# KiCad board robot.kicad_pcb (continued)
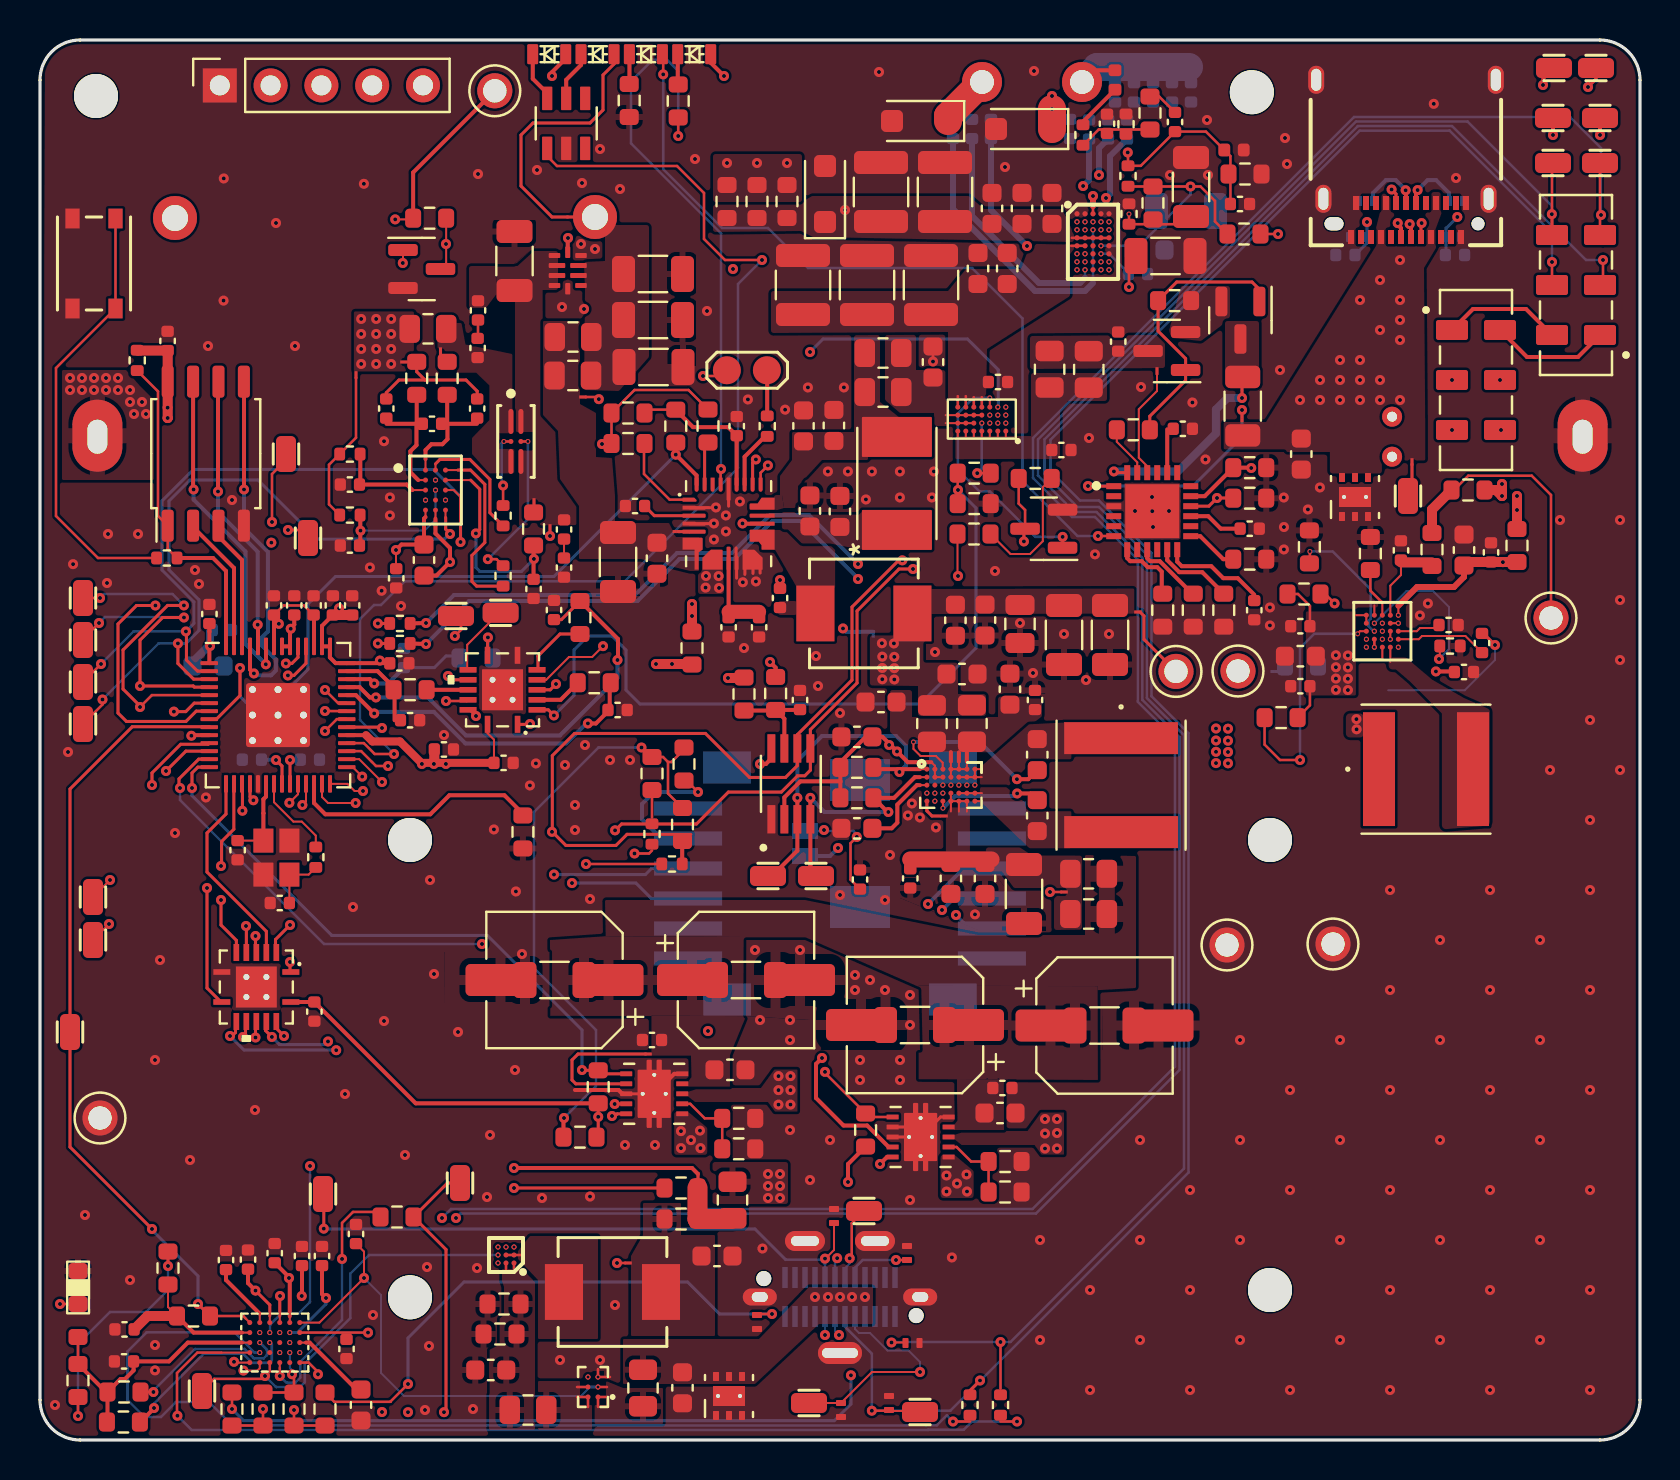
[diagram p0: board, top side]
## Library data of the parts
BT1 = -: Description: BatteryHolder_26650; Manufacturer: Uxcell; Part Number: a15042300ux0145; Stock: 5; VIO: VIO [1.2-5.5] (3.3V compatible)
BT2 = -: Description: Single-cell battery; Manufacturer: Suprise Collection; Part Number: 26650-5000-1; VIO: VIO [1.2-5.5] (3.3V compatible); Field10: -; Field11: +
C1 C87 C93 = -: Description: Unpolarized capacitor; Manufacturer: Murata; Part Number: GRM188R61A226ME15D; Type: SMD
C2 C3 = -: Description: Unpolarized capacitor; Manufacturer: Murata; Part Number: GRM1555C1H270JA01J; Type: SMD; VIO: Default to [2.5-3.3V] but can change via VOLTAGE_SELECT register
C4 C88 C94 C95 C105 = -: Description: Unpolarized capacitor; Manufacturer: Murata; Part Number: GRM155R61E105KA12D; Stock: 10; Type: SMD
C5-C7 C9 C11-C16 C35-C39 = -: Description: Unpolarized capacitor; Manufacturer: Samsung; Part Number: CL05A104KA5NNNC; Type: SMD; VIO: Default to [2.5-3.3V] but can change via VOLTAGE_SELECT register
C8 C10 = -: Description: Unpolarized capacitor; Manufacturer: Murata; Part Number: GRM155R61E105KA12D; Stock: 10; Type: SMD; VIO: Default to [2.5-3.3V] but can change via VOLTAGE_SELECT register
C17 = -: Description: Unpolarized capacitor; Manufacturer: Murata; Part Number: GRM188R61E106KA73J; Type: SMD; VIO: Default to [2.5-3.3V] but can change via VOLTAGE_SELECT register
C18 C19 = -: Description: Unpolarized capacitor; Manufacturer: Murata; Part Number: GRM1555C1H270JA01J; Type: SMD
C20 C42 C43 = -: Description: Unpolarized capacitor; Manufacturer: Murata; Part Number: GRM188R61E106KA73J; Type: SMD
C21 C22 = -: Description: Unpolarized capacitor; I_InMax: 3.0A; Manufacturer: Murata; Part Number: GRM155R61E105KA12D; Stock: 10; Type: SMD
C23 = -: Description: Unpolarized capacitor; I_InMax: 3.0A; Manufacturer: Murata; Part Number: GRM188R61E475KE11D; Type: SMD
C24 C32 = -: Description: Unpolarized capacitor; Manufacturer: Samsung; Part Number: CL05A104KA5NNNC; Type: SMD; VIO: VIO < 2V (e.g. 1.8V)
C25 C27 = -: Description: Unpolarized capacitor; Manufacturer: Murata; Part Number: GRM188R61E106KA73J; Type: SMD; VIO: VIO < 2V (e.g. 1.8V)
C26 = -: Description: Unpolarized capacitor; Manufacturer: Samsung; Part Number: CL10B474KO8NNNC; Type: SMD; VIO: VIO < 2V (e.g. 1.8V)
C28 = -: Description: Unpolarized capacitor; Manufacturer: Samsung; Part Number: CL10A225KP8NNNC; Type: SMD; VIO: VIO < 2V (e.g. 1.8V)
C29 = -: Description: Unpolarized capacitor; Manufacturer: Murata; Part Number: GRM155R61E105KA12D; Stock: 10; Type: SMD; VIO: VIO < 2V (e.g. 1.8V)
C30 C31 = -: Description: Unpolarized capacitor; Manufacturer: Samsung; Part Number: CL10B224KA8NNNC; Type: SMD; VIO: VIO < 2V (e.g. 1.8V)
C33 C34 = -: Description: Unpolarized capacitor; Manufacturer: Murata; Part Number: GRM188R61A226ME15D; Type: SMD; VIO: VIO < 2V (e.g. 1.8V)
C40 C41 C44 C85 C92 C102-C104 = -: Description: Unpolarized capacitor; Manufacturer: Samsung; Part Number: CL05A104KA5NNNC; Type: SMD
C45 C46 = -: Description: Unpolarized capacitor; Manufacturer: Murata; Part Number: GRM1555C1H270JA01J; Type: SMD; VIO: [1.8-3.8V] 1.8V compatible
C47 C48 C50-C54 = -: Description: Unpolarized capacitor; Manufacturer: Murata; Part Number: GRM155R61E105KA12D; Stock: 10; Type: SMD; VIO: [1.8-3.8V] 1.8V compatible
C49 = -: Description: Unpolarized capacitor; Manufacturer: Samsung; Part Number: CL10A225KP8NNNC; Type: SMD; VIO: [1.8-3.8V] 1.8V compatible
C55 C99 = -: Description: Unpolarized capacitor; Manufacturer: Murata; Part Number: GRM155R61E105KA12D; Stock: 10; Type: SMD; VIO: VIO [1.2-5.5] (3.3V compatible)
C56 = -: Description: Unpolarized capacitor; Manufacturer: Samsung; Part Number: CL10B474KO8NNNC; Type: SMD; VIO: VIO [1.2-5.5] (3.3V compatible)
C57-C66 = -: Description: Unpolarized capacitor; Manufacturer: Samsung; Part Number: CL05A104KA5NNNC; Type: SMD; VIO: VIO [1.2-5.5] (3.3V compatible)
C67 C68 C75 C77 C80 = -: Description: Unpolarized capacitor; I_InMax: 3.2A; Manufacturer: Murata; Part Number: GRM188R61E106KA73J; Type: SMD; VIO: VIO [1.62-5.5] (1.8V compatible)
C69 = -: Description: Unpolarized capacitor; I_InMax: 3.2A; Manufacturer: Murata; Part Number: GRM155R61E105KA12D; Stock: 10; Type: SMD; VIO: VIO [1.62-5.5] (1.8V compatible)
C70-C73 = -: Description: Unpolarized capacitor; I_InMax: 3.2A; Manufacturer: Samsung; Part Number: CL05A104KA5NNNC; Type: SMD; VIO: VIO [1.62-5.5] (1.8V compatible)
C74 C86 C89 C90 = -: Description: Unpolarized capacitor; Manufacturer: Murata; Part Number: GRM31CD80J107MEA8K; Stock: 20; Type: SMD
C76 C78 = -: Description: Unpolarized capacitor; I_InMax: 3.2A; Manufacturer: Murata; Part Number: GRM188R61A226ME15D; Type: SMD; VIO: VIO [1.62-5.5] (1.8V compatible)
C79 C82 C83 = -: Description: Unpolarized capacitor; I_InMax: 3.2A; Manufacturer: Murata; Part Number: GRM31CD80J107MEA8K; Stock: 20; Type: SMD; VIO: VIO [1.62-5.5] (1.8V compatible); V_Max: 6.3V
C81 = -: Description: Unpolarized capacitor; I_InMax: 3.2A; Manufacturer: Samsung Electro-Mechanics; Part Number: CL21A476MRYNNNE; Type: SMD; VIO: VIO [1.62-5.5] (1.8V compatible)
C84 C115 C118 = -: Description: Unpolarized capacitor; Manufacturer: Würth Elektronik; Part Number: 885012205067; Type: SMD
C91 = -: Description: Unpolarized capacitor; Manufacturer: Murata; Part Number: GRM31CD80J107MEA8K; Stock: 20; Type: SMD; VIO: VIO < 2V (e.g. 1.8V); V_Max: 6.3V
C96 C106-C108 = -: Description: Unpolarized capacitor; Manufacturer: Murata; Part Number: GRM31CD80J107MEA8K; Stock: 20; Type: SMD; VIO: VIO [1.2-5.5] (3.3V compatible); V_Max: 6.3V
C97 C100 C101 = -: Description: Unpolarized capacitor; Manufacturer: Murata; Part Number: GRM188R61E475KE11D; Type: SMD; VIO: [1.8-3.8V] 1.8V compatible
C109 C125 C127 = -: Description: Unpolarized capacitor; Manufacturer: Murata; Part Number: GRM31CD80J107MEA8K; Stock: 20; Type: SMD; V_Max: 6.3V
C110 = -: Description: Unpolarized capacitor; Manufacturer: Murata; Part Number: GRM155R71H223KA12J; Type: SMD; V_Max: 50V
C111 = -: Description: Unpolarized capacitor; Manufacturer: Murata; Part Number: GCM155R71H152KA37D; Type: SMD; V_Max: 50V
C112 C122 = -: Description: Unpolarized capacitor; Manufacturer: Murata; Part Number: GCM155R71H332KA37J; Type: SMD; V_Max: 50V
C113 C114 C116 C119 C121 = -: Description: Unpolarized capacitor; Manufacturer: Murata; Part Number: GRM155R62A104KE14D; Type: SMD; V_Max: 50V
C117 C120 = -: Description: Unpolarized capacitor; Manufacturer: Murata; Part Number: GRM155R71H223KA12J; Type: SMD
C123 C128 = -: Description: Unpolarized capacitor; Manufacturer: Murata; Part Number: GRM155R71H473KE14D; Type: SMD
C124 = -: Description: Unpolarized capacitor; Manufacturer: Murata; Part Number: GRM188R61E475KE11D; Type: SMD; V_Max: 25V
C126 = -: Description: Unpolarized capacitor; Manufacturer: Murata; Part Number: GRM155R61E105KA12D; Stock: 10; Type: SMD; V_Max: 16V
C129 C130 C132 C134 C136 = -: Description: Unpolarized capacitor; Manufacturer: Murata; Part Number: GRM188R61E106KA73J; Type: SMD; V_Max: 25V
C131 = -: Description: Unpolarized capacitor; Manufacturer: Murata; Part Number: GRM31CD80J107MEA8K; Type: SMD
C133 C135 C137 C138 = -: Description: Unpolarized capacitor; Manufacturer: Cal-Chip Electronics, Inc.; Part Number: GMC32X5R107M16NT; Type: SMD; V_Max: 16V
D1 = -: Description: Light emitting diode; I_InMax: 3.2A; Manufacturer: Harvatek Corporation; Part Number: B12H1USD-20D000234U1930; Type: SMD; VIO: VIO [1.62-5.5] (1.8V compatible)
D2 = -: Description: Light emitting diode; Manufacturer: Harvatek Corporation; Part Number: B12H1UYG-20D000134U1930; Type: SMD
D3 = -: Description: Light emitting diode; Manufacturer: Harvatek Corporation; Part Number: B12H1UY--20D000134U1930; Type: SMD; VIO: VIO [1.2-5.5] (3.3V compatible)
D4 D6 D10 = -: Description: Zener diode; Manufacturer: Littelfuse Inc.; Type: SMD
D5 = -: Description: Light emitting diode; Manufacturer: Harvatek Corporation; Part Number: B12H1NG--20D000134U1930; Type: SMD
D7 = -: Description: 6A@0.45V; I_InMax: 3.2A; Manufacturer: KYOCERA AVX; Part Number: SD2114S040S8R0; Type: SMD; VIO: VIO [1.62-5.5] (1.8V compatible)
D9 D11 = -: Description: Diode; Manufacturer: Diodes Incorporated; Part Number: 1N4448HLP-7; Type: SMD
H1-H6 = -: Description: Mounting Hole without connection; Manufacturer: N/A; Part Number: N/A; Type: DNP
IC1 = -: Description: Power Switch ICs - Power Distribution; Manufacturer: Texas Instruments; Type: SMD; VIO: VIO [1.2-5.5] (3.3V compatible)
J1 = -: Description: CON USB3.1 TID TYPE-C Female SMD R/A; Manufacturer: Amphenol Commercial Products; Part Number: 12401610E4#2A; Type: Mixed (SMD/THT); Field9: A12; Field10: A1
J2 = -: Description: Generic connector, single row, 01x05, script generated (kicad-library-utils/schlib/autogen/connector/); Manufacturer: Adam Tech; Part Number: PH1-05-UA; Type: SMD; VIO: Default to [2.5-3.3V] but can change via VOLTAGE_SELECT register
J3 J5 = -: Description: Generic connectable mounting pin connector, single row, 01x06, script generated (kicad-library-utils/schlib/autogen/connector/); Manufacturer: JST; Part Number: B6B-ZR-SM4-TF; Type: SMD
J4 = -: Manufacturer: GCT; Type: Mixed (SMD/THT); VIO: [1.8-3.8V] 1.8V compatible
J8 = -: Description: Generic connector, single row, 01x02, script generated (kicad-library-utils/schlib/autogen/connector/); Manufacturer: N/A; Part Number: N/A; Type: DNP
L1 = -: Description: Inductor; Manufacturer: TAIYO YUDEN; Part Number: NRS6028T1R5NMGJ; Type: SMD; VIO: VIO < 2V (e.g. 1.8V); Field9: *; Field10: 0.224in/5.69mm; Field11: 0.248in/6.299mm; Field12: Copyright 2021 Accelerated Designs. All rights reserved.; Field13: 0.122in/3.099mm
L2 = -: Description: Inductor symbol for simulation only; I_InMax: 3.2A; Manufacturer: Vishay; Part Number: IHLP2020BZERR47M01; Type: SMD; VIO: VIO [1.62-5.5] (1.8V compatible)
L3 = -: Description: Inductor; Manufacturer: TAIYO YUDEN; Part Number: NRS6028T1R5NMGJ; Type: SMD; Field8: Copyright 2021 Accelerated Designs. All rights reserved.; Field9: 0.248in/6.299mm; Field10: 0.224in/5.69mm; Field11: 0.122in/3.099mm; Field12: *
L4 = -: Description: Inductor symbol for simulation only; Manufacturer: Vishay; Part Number: IHLP2020BZERR47M01; Type: SMD; VIO: [1.8-3.8V] 1.8V compatible
NT1-NT4 NT14 NT16-NT18 NT20 = -: Description: Net tie, 2 pins; Manufacturer: N/A; Part Number: N/A; Type: DNP
NT5 NT6 NT11 = -: Description: Net tie, 2 pins; I_InMax: 3.2A; Manufacturer: N/A; Part Number: N/A; Type: DNP; VIO: VIO [1.62-5.5] (1.8V compatible)
NT7-NT10 NT12 NT13 = -: Description: Net tie, 2 pins; Manufacturer: N/A; Part Number: N/A; Type: DNP; VIO: VIO [1.2-5.5] (3.3V compatible)
NT15 = -: Description: Net tie, 2 pins; Manufacturer: N/A; Part Number: N/A; Type: DNP; VIO: VIO < 2V (e.g. 1.8V)
NT21 NT22 = -: Description: Net tie, 2 pins; Manufacturer: N/A; Part Number: N/A; Type: DNP; VIO: [1.8-3.8V] 1.8V compatible
Q1 = -: Description: N-MOSFET transistor, gate/source/drain; I_InMax: 3.0A; Manufacturer: ANBON SEMICONDUCTOR (INT'L) LIMITED; Part Number: BSS138; Type: SMD
Q2 = -: Manufacturer: ON Semiconductor; Stock: 19; Type: SMD; VIO: VIO [1.2-5.5] (3.3V compatible)
Q3 = -: Description: 20V Vds, 0.63 Id, N-Channel MOSFET with ESD protection, SOT-523; Manufacturer: ANBON SEMICONDUCTOR (INT'L) LIMITED; Type: SMD
Q4 = -: Description: 20V Vds, 0.63 Id, N-Channel MOSFET with ESD protection, SOT-523; Manufacturer: Yangjie Electronic Technology; Type: SMD
Q5 = -: Description: Buffer/Line Driver 4-CH Non-Inverting 3-ST CMOS 14-Pin VQFN EP T/R; Manufacturer: Texas Instruments; Stock: 39; Type: SMD; VIO: Default to [2.5-3.3V] but can change via VOLTAGE_SELECT register; Field9: .03346in/.85mm; Field10: .1362992in/3.462mm; Field11: 8.070866E-02in/2.05mm; Field12: .01102in/.28mm; Field13: 1.968504E-02in/.5mm; Field14: Copyright 2021 Accelerated Designs. All rights reserved.; Field15: 8.070866E-02in/2.05mm; Field16: .1392913in/3.538mm
Q6 = -: Description: Buffer/Line Driver 4-CH Non-Inverting 3-ST CMOS 14-Pin VQFN EP T/R; Manufacturer: Texas Instruments; Stock: 39; Type: SMD; Field8: .1392913in/3.538mm; Field9: .03346in/.85mm; Field10: .1362992in/3.462mm; Field11: Copyright 2021 Accelerated Designs. All rights reserved.; Field12: 8.070866E-02in/2.05mm; Field13: .01102in/.28mm; Field14: 1.968504E-02in/.5mm; Field15: 8.070866E-02in/2.05mm
Q7 = -: Description: N-MOSFET transistor, gate/source/drain; Manufacturer: ANBON SEMICONDUCTOR (INT'L) LIMITED; Part Number: BSS138; Type: SMD; VIO: VIO [1.2-5.5] (3.3V compatible)
R1 R5 = -: Description: Resistor; Manufacturer: Walsin Technologies; Part Number: WR04X102 JTL; Type: SMD; VIO: Default to [2.5-3.3V] but can change via VOLTAGE_SELECT register
R2 = -: Description: Resistor; Type: SMD; VIO: Default to [2.5-3.3V] but can change via VOLTAGE_SELECT register
R3 R4 = -: Description: Resistor; Manufacturer: Stackpole Electronics; Part Number: RMCF0402JT27R0; Type: SMD; VIO: Default to [2.5-3.3V] but can change via VOLTAGE_SELECT register
R6 R7 = -: Description: Resistor; Manufacturer: Yageo; Part Number: RC0402FR-1310RL; Type: SMD
R8 = -: Description: Resistor; Manufacturer: Stackpole Electronics; Part Number: RMCF0603JT47K0; Type: SMD; VIO: VIO [1.2-5.5] (3.3V compatible)
R9 = -: Description: Resistor; Manufacturer: Stackpole Electronics; Part Number: RMCF0402FT80K6; Type: SMD
R10 = -: Description: Resistor; Manufacturer: Stackpole Electronics; Notes: Normally Open. Close when needed with 0Ohm resistor.; Part Number: RMCF0603ZT0R00; Stock: 15; Type: SMD; VIO: Default to [2.5-3.3V] but can change via VOLTAGE_SELECT register
R11 R52 R54 R67-R72 R77 R78 = -: Description: Resistor; Manufacturer: Stackpole Electronics; Part Number: RMCF0805ZT0R00; Type: SMD
R12 = -: Description: Resistor; Manufacturer: Walsin Technology; Part Number: WR06X1003FTL; Stock: 100; Type: SMD; VIO: [1.8-3.8V] 1.8V compatible
R13 = -: Description: Resistor; Type: SMD; VIO: [1.8-3.8V] 1.8V compatible
R14 R15 = -: Description: Resistor; Manufacturer: Stackpole Electronics; Part Number: RMCF0603JT2K20; Type: SMD
R16 = -: Description: Resistor; I_InMax: 3.0A; Manufacturer: Stackpole Electronics; Part Number: RMCF0603JT510K; Type: SMD
R17 = -: Description: Resistor; I_InMax: 3.0A; Manufacturer: Walsin Technology; Part Number: WR06X1003FTL; Stock: 100; Type: SMD
R18 = -: Description: Resistor; I_InMax: 3.0A; Manufacturer: Stackpole Electronics; Part Number: RMCF0603JT47K0; Type: SMD
R19 = -: Description: Resistor; Manufacturer: Stackpole Electronics; Part Number: RMCF0603JT200K; Type: SMD; VIO: VIO < 2V (e.g. 1.8V)
R20 R21 = -: Description: Resistor; Manufacturer: Stackpole Electronics; Part Number: RMCF0603JT2K20; Type: SMD; VIO: VIO < 2V (e.g. 1.8V)
R22-R25 = -: Description: Resistor; Manufacturer: Stackpole Electronics; Part Number: RMCF0603JT100R; Type: SMD; VIO: Default to [2.5-3.3V] but can change via VOLTAGE_SELECT register
R26 R27 R29 R30 = -: Description: Resistor; Manufacturer: Panasonic; Part Number: ERJ-3RQJR39V; Stock: 10; Type: SMD
R28 R31 = -: Description: Resistor; Manufacturer: Walsin Technology; Part Number: WR06X1002FTL; Stock: 100; Type: SMD
R32 R33 = -: Description: Resistor; Manufacturer: Yageo; Part Number: RC0402FR-1310RL; Type: SMD; VIO: [1.8-3.8V] 1.8V compatible
R34 R35 = -: Description: Resistor; Manufacturer: Stackpole Electronics; Part Number: RMCF0603JT2K20; Type: SMD; VIO: [1.8-3.8V] 1.8V compatible
R36 = -: Description: Resistor; Manufacturer: Stackpole Electronics; Part Number: RMCF0603JT200K; Type: SMD; VIO: [1.8-3.8V] 1.8V compatible
R37 R39 = -: Description: Resistor; Manufacturer: Panasonic; Part Number: ERJ-3EKF6493V; Type: SMD; VIO: [1.8-3.8V] 1.8V compatible
R38 R40 = -: Description: Resistor; Manufacturer: Stackpole Electronics; Part Number: RMCF0603JT120K; Type: SMD; VIO: [1.8-3.8V] 1.8V compatible
R41 R42 = -: Description: Resistor; Manufacturer: Yageo; Part Number: RC0402FR-1310RL; Type: SMD; VIO: VIO [1.2-5.5] (3.3V compatible)
R43 R45 = -: Description: Resistor; Manufacturer: Panasonic; Part Number: ERJ-PA3J201V; Type: SMD; VIO: VIO [1.2-5.5] (3.3V compatible)
R44 = -: Description: Resistor; Manufacturer: Yageo; Part Number: PA0805FRF470R005L; Type: SMD; VIO: VIO [1.2-5.5] (3.3V compatible)
R46 R47 = -: Description: Resistor; Manufacturer: Walsin Technologies; Part Number: WR04X102 JTL; Type: SMD; VIO: VIO [1.2-5.5] (3.3V compatible)
R48 = -: Description: Resistor; Manufacturer: Stackpole Electronics; Part Number: RMCF0603FT2K00; Type: SMD; VIO: VIO [1.2-5.5] (3.3V compatible)
R49 = -: Description: Resistor; I_InMax: 3.2A; Manufacturer: Walsin Technology; Part Number: WR06X1003FTL; Stock: 100; Type: SMD; VIO: VIO [1.62-5.5] (1.8V compatible)
R50 = -: Description: Resistor; I_InMax: 3.2A; Manufacturer: Walsin Technologies; Part Number: WR04X102 JTL; Type: SMD; VIO: VIO [1.62-5.5] (1.8V compatible)
R51 = -: Description: Resistor; Manufacturer: Panasonic; Part Number: ERJ-8CWJR010V; Type: SMD
R53 = -: Description: Resistor; Manufacturer: Stackpole Electronics; Part Number: RMCF0603FT113K; Type: SMD
R55 = -: Description: Resistor; Manufacturer: Stackpole Electronics; Part Number: RMCF0603FT14K0; Type: SMD
R56 = -: Description: Resistor; I_InMax: 3.2A; Manufacturer: Stackpole Electronics; Part Number: RMCF0603JT100R; Type: SMD; VIO: VIO [1.62-5.5] (1.8V compatible)
R57 R75 = -: Description: Resistor; Manufacturer: Stackpole Electronics; Part Number: RMCF0603ZT0R00; Stock: 15; Type: SMD; VIO: [1.8-3.8V] 1.8V compatible
R58 R97 = -: Description: Resistor; Manufacturer: Stackpole Electronics; Part Number: RMCF0603JT100R; Type: SMD
R59-R61 = -: Description: Resistor; Manufacturer: Walsin Technology; Part Number: WR06X1003FTL; Stock: 100; Type: SMD
R62 = -: Description: Resistor; Manufacturer: Stackpole Electronics; Part Number: RMCF0603FT16K0; Stock: 100; Type: SMD
R63 R64 = -: Description: Resistor; Manufacturer: Stackpole Electronics; Part Number: RMCF0603JT5K10; Type: SMD
R65 = -: Description: Resistor; Manufacturer: Yageo; Part Number: AC0603JR-0710ML; Type: SMD; VIO: [1.8-3.8V] 1.8V compatible
R66 = -: Description: Resistor; Type: SMD
R73 R74 = -: Description: Resistor; Manufacturer: Stackpole Electronics; Part Number: RMCF0805ZT0R00; Type: SMD; VIO: [1.8-3.8V] 1.8V compatible
R76 R79 R82-R88 R90-R94 = -: Description: Resistor; Manufacturer: Stackpole Electronics; Part Number: RMCF0603ZT0R00; Stock: 15; Type: SMD
R80 R81 = -: Description: Resistor; Manufacturer: Stackpole Electronics; Notes: Normally Open. Close when needed with 0Ohm resistor.; Part Number: RMCF0603ZT0R00; Stock: 15; Type: SMD
R89 R99 = -: Description: Resistor; Manufacturer: Walsin Technology; Part Number: WR06X1003FTL; Type: SMD
R95 = -: Description: Resistor; Manufacturer: Stackpole Electronics; Part Number: RMCF0603ZT0R00; Type: SMD; VIO: [1.8-3.8V] 1.8V compatible
R96 R102 = -: Description: Resistor; Manufacturer: Walsin Technology; Part Number: WR06X1002FTL; Type: SMD
R98 = -: Description: Resistor; Manufacturer: YAGEO; Part Number: RC0402FR-13150KL; Type: SMD
R100 = -: Description: Resistor; Manufacturer: YAGEO; Part Number: RC0402FR-07220KL; Type: SMD
R101 = -: Description: Resistor; Manufacturer: YAGEO; Part Number: RC0402FR-136K8L; Type: SMD
R103-R105 = -: Description: Resistor; Manufacturer: Panasonic; Notes: Requires Pulse Withstanding; Part Number: ERJ-PA3J201V; Type: SMD
S2 = -: Description: E-SWITCH - TL3305AF260QG - TACTILE SW, SPST, 0.05A, 12VDC, SOLDER; Manufacturer: C&K; Type: SMD; VIO: Default to [2.5-3.3V] but can change via VOLTAGE_SELECT register
S3 = -: Description: SWITCH SLIDE DPDT 300MA 6V; Manufacturer: C&K; Type: SMD
S4 = -: Description: SWITCH SLIDE DPDT 300MA 6V; Manufacturer: C&K; Type: SMD; VIO: [1.8-3.8V] 1.8V compatible
SW1 = -: Description: Single Pole Single Throw (SPST) switch; Manufacturer: Molex; Part Number: 0533980271; Type: SMD; VIO: VIO [1.2-5.5] (3.3V compatible)
TH1 = -: Description: Temperature dependent resistor; Manufacturer: Semitec; Part Number: 103AT-5-1P-FT; Stock: 24; Type: THT / DNP; VIO: VIO [1.2-5.5] (3.3V compatible)
TH2 = -: Description: Temperature dependent resistor; Manufacturer: Murata; Part Number: NCU15WF104J6SRC; Type: SMD
TP1 TP2 TP9 TP16 TP17 TP20-TP23 = -: Description: test point; Manufacturer: KOA Speer Electronics, Inc.; Part Number: RCUCTE; Type: SMD
TP3-TP8 TP13-TP15 = -: Description: test point; Manufacturer: KOA Speer Electronics, Inc.; Part Number: RCUCTE; Type: SMD; VIO: [1.8-3.8V] 1.8V compatible
TP10 TP11 TP24 TP26 TP27 TP33 = -: Description: test point; Manufacturer: KOA Speer Electronics, Inc.; Part Number: RCUCTE; Type: SMD; VIO: Default to [2.5-3.3V] but can change via VOLTAGE_SELECT register
TP12 = -: Description: 2-polar test point; I_InMax: 3.2A; Manufacturer: N/A; Part Number: N/A; Type: DNP; VIO: VIO [1.62-5.5] (1.8V compatible)
TP18 TP19 = -: Description: test point; Manufacturer: KOA Speer Electronics, Inc.; Part Number: RCUCTE; Type: SMD; VIO: VIO < 2V (e.g. 1.8V)
TP28 TP29 = -: Description: test point; Manufacturer: N/A; Notes: This is for attaching a wire to a shorting button for reseting the protection circuit. Place close to R11 battery terminals.; Part Number: N/A; Type: DNP; VIO: VIO [1.2-5.5] (3.3V compatible)
TP30 TP34 TP39-TP43 = -: Description: test point; Manufacturer: Keystone Electronics; Part Number: 5002; Type: THT
U1 = -: Description: Qi-compliant inductive wireless power receiver for 15W applications; Manufacturer: STMicroelectronics; Type: SMD
U2 = -: Description: 128Mb Serial Flash Memory, Standard/Dual/Quad SPI, SOIC-8; Manufacturer: Winbond; Part Number: W25Q128JVSIQ; Type: SMD; VIO: Default to [2.5-3.3V] but can change via VOLTAGE_SELECT register
U3 = -: Manufacturer: Raspberry Pi; Part Number: SC0914(13); Type: SMD; VIO: Default to [2.5-3.3V] but can change via VOLTAGE_SELECT register
U4 = -: I_InMax: 3.0A; Manufacturer: onsemi; Part Number: NCP3901FCCT1G; Stock: 19; Type: SMD
U5 = -: Description: Dual bidirectional multi-voltage level translator; Manufacturer: Texas Instruments; Stock: 19; Type: SMD; VIO: VIO < 2V (e.g. 1.8V)
U6 = -: Manufacturer: Maxim; Stock: 19; Type: SMD; VIO: VIO < 2V (e.g. 1.8V)
U7 = -: Manufacturer: Diodes Inc.; Type: SMD
U8 U9 = -: Description: DC Motor Driver I2C Control; Manufacturer: Texas Instruments; Stock: 44; Type: SMD
U11 = -: Description: USB-PD Controller; Manufacturer: Maxim; Stock: 19; Type: SMD; VIO: [1.8-3.8V] 1.8V compatible
U12 = -: Manufacturer: Texas Instruments; Stock: 19; Type: SMD; VIO: VIO [1.2-5.5] (3.3V compatible)
U13 = -: Description: Current limit > 9.5A; I_InMax: 3.2A; Manufacturer: Maxim; Stock: 19; Type: SMD; VIO: VIO [1.62-5.5] (1.8V compatible); Field10: 0.016in/0.4mm; Field11: 0.154in/3.9mm; Field12: 0.154in/3.9mm; Field13: Copyright 2021 Accelerated Designs. All rights reserved.; Field14: 0.033in/0.838mm; Field15: 0.012in/0.305mm
U14 = -: Manufacturer: Maxim; Stock: 19; Type: SMD
U15 U19-U23 = -: Manufacturer: Texas Instruments; Part Number: TPD1E05U06DPYR; Type: SMD; VIO: [1.8-3.8V] 1.8V compatible; Field9: *
U16 = -: Manufacturer: onsemi; Type: SMD; VIO: [1.8-3.8V] 1.8V compatible
U17 = -: Description: TPS6125xA 3.8-MHz, 5-V / 4-A Boost in 1.2-mm x 1.3-mm WCSP; Manufacturer: Texas Instruments; Type: SMD; VIO: [1.8-3.8V] 1.8V compatible
U18 = -: Description: Diodes Inc. ACDC Decoder W-QFN4040-24 T&R 3K; Manufacturer: Diodes Inc.; Stock: 19; Type: SMD
U24 = -: Description: Flat-Clamp Surge Protection Device. 5Vrwm, WSON-6; Manufacturer: Texas Instruments; Part Number: TVS0500DRVR; Type: SMD; VIO: [1.8-3.8V] 1.8V compatible
U25 = -: Description: Flat-Clamp Surge Protection Device. 5Vrwm, WSON-6; Manufacturer: Texas Instruments; Part Number: TVS0500DRVR; Type: SMD
U26-U29 = -: Manufacturer: Texas Instruments; Part Number: TPD1E05U06DPYR; Type: SMD; Field8: *
Y1 = -: Description: Two pin crystal; Manufacturer: ECS Inc.; Type: SMD; VIO: Default to [2.5-3.3V] but can change via VOLTAGE_SELECT register

## Footprints (pads in the part's own frame, mm; a bottom-side part is the same pattern mirrored in y, then rotated)
AP33771DKZ13
  rect 0.75x0.3 smd: 1(-1.925,1.25) 2(-1.925,0.75) 3(-1.925,0.25) 4(-1.925,-0.25) 5(-1.925,-0.75) 6(-1.925,-1.25) 13(1.925,-1.25) 14(1.925,-0.75) 15(1.925,-0.25) 16(1.925,0.25) 17(1.925,0.75) 18(1.925,1.25)
  rect 0.3x0.75 smd: 7(-1.25,-1.925) 8(-0.75,-1.925) 9(-0.25,-1.925) 10(0.25,-1.925) 11(0.75,-1.925) 12(1.25,-1.925) 19(1.25,1.925) 20(0.75,1.925) 21(0.25,1.925) 22(-0.25,1.925) 23(-0.75,1.925) 24(-1.25,1.925)
  rect 2.7x2.7 smd: 25(0,0)
B12H1UYG-20D000134U1930
  rrect 1x0.55 smd: 1(0,0.889) 2(0,-0.761)
battery26650_holderOnly
  oval 2.5x3.6 hole 1x1.7: 1(-37.13,0) 2(37.13,0)
battery26650_thermistor
  round 1 hole 0.5: 1(-27.605,1) 2(-27.605,-1)
BGA6N50P3X2_146X96X62N
  rrect 0.255x0.255 smd: (-0.25,0.5) (-0.25,0) (-0.25,-0.5) (0.25,0.5) (0.25,0) (0.25,-0.5)
  round 0.25 smd: A1(-0.25,0.5) A2(0.25,0.5) B1(-0.25,0) B2(0.25,0) C1(-0.25,-0.5) C2(0.25,-0.5)
BGA40C40P5X8_213X333X57
  round 0.26 smd: A1(-0.8,1.4) A2(-0.4,1.4) A3(0,1.4) A4(0.4,1.4) A5(0.8,1.4) B1(-0.8,1) B2(-0.4,1) B3(0,1) B4(0.4,1) B5(0.8,1) C1(-0.8,0.6) C2(-0.4,0.6) C3(0,0.6) C4(0.4,0.6) C5(0.8,0.6) D1(-0.8,0.2) D2(-0.4,0.2) D3(0,0.2) D4(0.4,0.2) D5(0.8,0.2) E1(-0.8,-0.2) E2(-0.4,-0.2) E3(0,-0.2) E4(0.4,-0.2) E5(0.8,-0.2) F1(-0.8,-0.6) F2(-0.4,-0.6) F3(0,-0.6) F4(0.4,-0.6) F5(0.8,-0.6) G1(-0.8,-1) G2(-0.4,-1) G3(0,-1) G4(0.4,-1) G5(0.8,-1) H1(-0.8,-1.4) H2(-0.4,-1.4) H3(0,-1.4) H4(0.4,-1.4) H5(0.8,-1.4)
C_0402_1005Metric
  rrect 0.56x0.62 smd: 1(-0.48,0) 2(0.48,0)
C_0603_1608Metric
  rrect 0.9x0.95 smd: 1(-0.775,0) 2(0.775,0)
C_0805_2012Metric
  rrect 1x1.45 smd: 1(-0.95,0) 2(0.95,0)
C_1206_3216Metric
  rrect 1.15x1.8 smd: 1(-1.475,0) 2(1.475,0)
C_1210_3225Metric
  rrect 1.15x2.7 smd: 1(-1.475,0) 2(1.475,0)
CON_USB3.1-C_RCPT_SMD_RA_ACP_12401610E4#2A
  round 0.65 hole 0.65 unplated: (-3.6,4.34)
  oval 0.95x0.65 hole 0.95x0.65 unplated: (3.6,4.34)
  oval 0.8x1.4 hole 0.5x1.1: 25(-4.49,-2.86) 25(-4.13,3.09) 25(4.13,3.09) 25(4.49,-2.86)
  rect 0.3x0.7 smd: A1(-2.75,5) A2(-2.25,5) A3(-1.75,5) A4(-1.25,5) A5(-0.75,5) A6(-0.25,5) A7(0.25,5) A8(0.75,5) A9(1.25,5) A10(1.75,5) A11(2.25,5) A12(2.75,5) B1(2.5,3.3) B2(2,3.3) B3(1.5,3.3) B4(1,3.3) B5(0.5,3.3) B6(0,3.3) B7(-0.5,3.3) B8(-1,3.3) B9(-1.5,3.3) B10(-2,3.3) B11(-2.5,3.3) B12(-3,3.3)
CONN_B6B-ZR-SM4-TF_JST
  rect 0.711x3.404 smd: 1(-3.75,-1.097) 2(-2.25,-1.097) 3(-0.75,-1.097) 4(0.75,-1.097) 5(2.25,-1.097) 6(3.75,-1.097)
  rect 1.6x2.388 smd: MP(-5.8,0.854) MP(5.8,0.854)
CP_Elec_APXJ100ARA271MF61G
  rrect 3.5x1.6 smd: 1(-2.7,0) 2(2.7,0)
  rrect 1.15x1.8 smd: 1(-1.475,0) 2(1.475,0)
D_0402_1005Metric
  rrect 0.59x0.64 smd: 1(-0.485,0) 2(0.485,0)
D_SOD-123F
  rrect 1.1x1.1 smd: 1(-1.4,0) 2(1.4,0)
GCT_USB4151-GF-C_REVA
  round 0.75 hole 0.75 unplated: (-3.81,-0.93) (3.81,0.92)
  rect 0.28x1.05 smd: A1(2.75,0.975) A2(2.25,0.975) A3(1.75,0.975) A4(1.25,0.975) A5(0.75,0.975) A6(0.25,0.975) A7(-0.25,0.975) A8(-0.75,0.975) A9(-1.25,0.975) A10(-1.75,0.975) A11(-2.25,0.975) A12(-2.75,0.975) B1(-2.75,-0.975) B2(-2.25,-0.975) B3(-1.75,-0.975) B4(-1.25,-0.975) B5(-0.75,-0.975) B6(-0.25,-0.975) B7(0.25,-0.975) B8(0.75,-0.975) B9(1.25,-0.975) B10(1.75,-0.975) B11(2.25,-0.975) B12(2.75,-0.975)
  oval 1.7x0.85 hole 0.8x0.5: S1(-4.01,0) S4(4.01,0)
  oval 2x1 hole 1.4x0.5: S2(-1.75,2.8) S3(1.75,2.8)
  oval 2.2x1.1 hole 1.8x0.5: S5(0,-2.8)
IC_DRV8830DRCR
  rrect 0.6x0.24 smd: 1(-1.4,1) 2(-1.4,0.5) 3(-1.4,0) 4(-1.4,-0.5) 5(-1.4,-1) 6(1.4,-1) 7(1.4,-0.5) 8(1.4,0) 9(1.4,0.5) 10(1.4,1)
  round 0.3 hole 0.2: 11(-0.575,0) 11(0,0.95) 11(0,-0.95) 11(0.575,0)
  custom 1.66x3.41 smd: 11(0,0)
KEYSTONE_5002
  round 1.755 hole 1.17: 1(0,0)
MAX77958EWV&plus_T
  rrect 0.255x0.255 smd: (-1.25,1) (-1.25,0.5) (-1.25,0) (-1.25,-0.5) (-1.25,-1) (-0.75,1) (-0.75,0.5) (-0.75,0) (-0.75,-0.5) (-0.75,-1) (-0.25,1) (-0.25,0.5) (-0.25,0) (-0.25,-0.5) (-0.25,-1) (0.25,1) (0.25,0.5) (0.25,0) (0.25,-0.5) (0.25,-1) (0.75,1) (0.75,0.5) (0.75,0) (0.75,-0.5) (0.75,-1) (1.25,1) (1.25,0.5) (1.25,0) (1.25,-0.5) (1.25,-1)
  round 0.25 smd: A1(-1.25,1) A2(-0.75,1) A3(-0.25,1) A4(0.25,1) A5(0.75,1) A6(1.25,1) B1(-1.25,0.5) B2(-0.75,0.5) B3(-0.25,0.5) B4(0.25,0.5) B5(0.75,0.5) B6(1.25,0.5) C1(-1.25,0) C2(-0.75,0) C3(-0.25,0) C4(0.25,0) C5(0.75,0) C6(1.25,0) D1(-1.25,-0.5) D2(-0.75,-0.5) D3(-0.25,-0.5) D4(0.25,-0.5) D5(0.75,-0.5) D6(1.25,-0.5) E1(-1.25,-1) E2(-0.75,-1) E3(-0.25,-1) E4(0.25,-1) E5(0.75,-1) E6(1.25,-1)
MAX77976
  custom 0.7x0.2 smd: 1(-1.95,1.2)
  custom 1.15x0.2 smd: 2(-1.95,0.8) 3(-1.95,0.4) 4(-1.95,0) 5(-1.95,-0.4)
  rect 0.127x0.127 smd: 6(-1.956,-0.813) 7(-1.956,-1.168) 10(-0.787,-1.93) 11(-0.406,-1.93) 14(0.813,-1.93) 15(1.219,-1.93) 17(1.956,-1.168) 18(1.956,-0.787) 22(1.956,0.813)
  custom 1x1.6 smd: 8(-1.6,-1.727)
  custom 1x1 smd: 9(-1.168,-1.93) 16(1.575,-1.93)
  custom 0.2x1.15 smd: 12(0,-1.725) 13(0.4,-1.725) 28(0,1.725)
  custom 1.25x1 smd: 19(1.956,-0.406)
  custom 1.25x0.2 smd: 20(1.725,0) 21(1.725,0.4)
  custom 1.25x0.6 smd: 23(1.956,1.194)
  custom 0.2x0.7 smd: 24(1.6,1.95) 25(1.2,1.95) 26(0.8,1.95) 27(0.4,1.95) 29(-0.4,1.95) 30(-0.8,1.95) 31(-1.2,1.95) 32(-1.6,1.95)
Maxim-N252B2-1-0-A-MFG
  rrect 0.255x0.255 smd: (-0.8,0.8) (-0.8,0.4) (-0.8,0) (-0.8,-0.4) (-0.8,-0.8) (-0.4,0.8) (-0.4,0.4) (-0.4,0) (-0.4,-0.4) (-0.4,-0.8) (0,0.8) (0,0.4) (0,0) (0,-0.4) (0,-0.8) (0.4,0.8) (0.4,0.4) (0.4,0) (0.4,-0.4) (0.4,-0.8) (0.8,0.8) (0.8,0.4) (0.8,0) (0.8,-0.4) (0.8,-0.8)
  round 0.25 smd: A1(-0.8,0.8) A2(-0.4,0.8) A3(0,0.8) A4(0.4,0.8) A5(0.8,0.8) B1(-0.8,0.4) B2(-0.4,0.4) B3(0,0.4) B4(0.4,0.4) B5(0.8,0.4) C1(-0.8,0) C2(-0.4,0) C3(0,0) C4(0.4,0) C5(0.8,0) D1(-0.8,-0.4) D2(-0.4,-0.4) D3(0,-0.4) D4(0.4,-0.4) D5(0.8,-0.4) E1(-0.8,-0.8) E2(-0.4,-0.8) E3(0,-0.8) E4(0.4,-0.8) E5(0.8,-0.8)
MOLEX_picoblade_SMT_2pin
  rect 0.8x1.3 smd: 1(0.625,-1.75) 2(-0.625,-1.75)
  rect 2.1x3 smd: S1(-3.175,1) S2(3.175,1)
MountingHole_2.2mm_M2
  round 2.2 hole 2.2 unplated: (0,0)
MountingHole_2.2mm_M2_2mm_clearance
  round 2.2 hole 2.2 unplated: (0,0)
NCP3901
  rrect 0.255x0.255 smd: (-1.2,0.6) (-1.2,0.2) (-1.2,-0.2) (-1.2,-0.6) (-0.8,0.6) (-0.8,0.2) (-0.8,-0.2) (-0.8,-0.6) (-0.4,0.6) (-0.4,0.2) (-0.4,-0.2) (-0.4,-0.6) (0,0.6) (0,0.2) (0,-0.2) (0,-0.6) (0.4,0.6) (0.4,0.2) (0.4,-0.2) (0.4,-0.6) (0.8,0.6) (0.8,0.2) (0.8,-0.2) (0.8,-0.6) (1.2,0.6) (1.2,0.2) (1.2,-0.2) (1.2,-0.6)
  round 0.25 smd: A1(-1.2,0.6) A2(-0.8,0.6) A3(-0.4,0.6) A4(0,0.6) A5(0.4,0.6) A6(0.8,0.6) A7(1.2,0.6) B1(-1.2,0.2) B2(-0.8,0.2) B3(-0.4,0.2) B4(0,0.2) B5(0.4,0.2) B6(0.8,0.2) B7(1.2,0.2) C1(-1.2,-0.2) C2(-0.8,-0.2) C3(-0.4,-0.2) C4(0,-0.2) C5(0.4,-0.2) C6(0.8,-0.2) C7(1.2,-0.2) D1(-1.2,-0.6) D2(-0.8,-0.6) D3(-0.4,-0.6) D4(0,-0.6) D5(0.4,-0.6) D6(0.8,-0.6) D7(1.2,-0.6)
